# KiCad board RGB 2x2 with WS2811.kicad_pcb
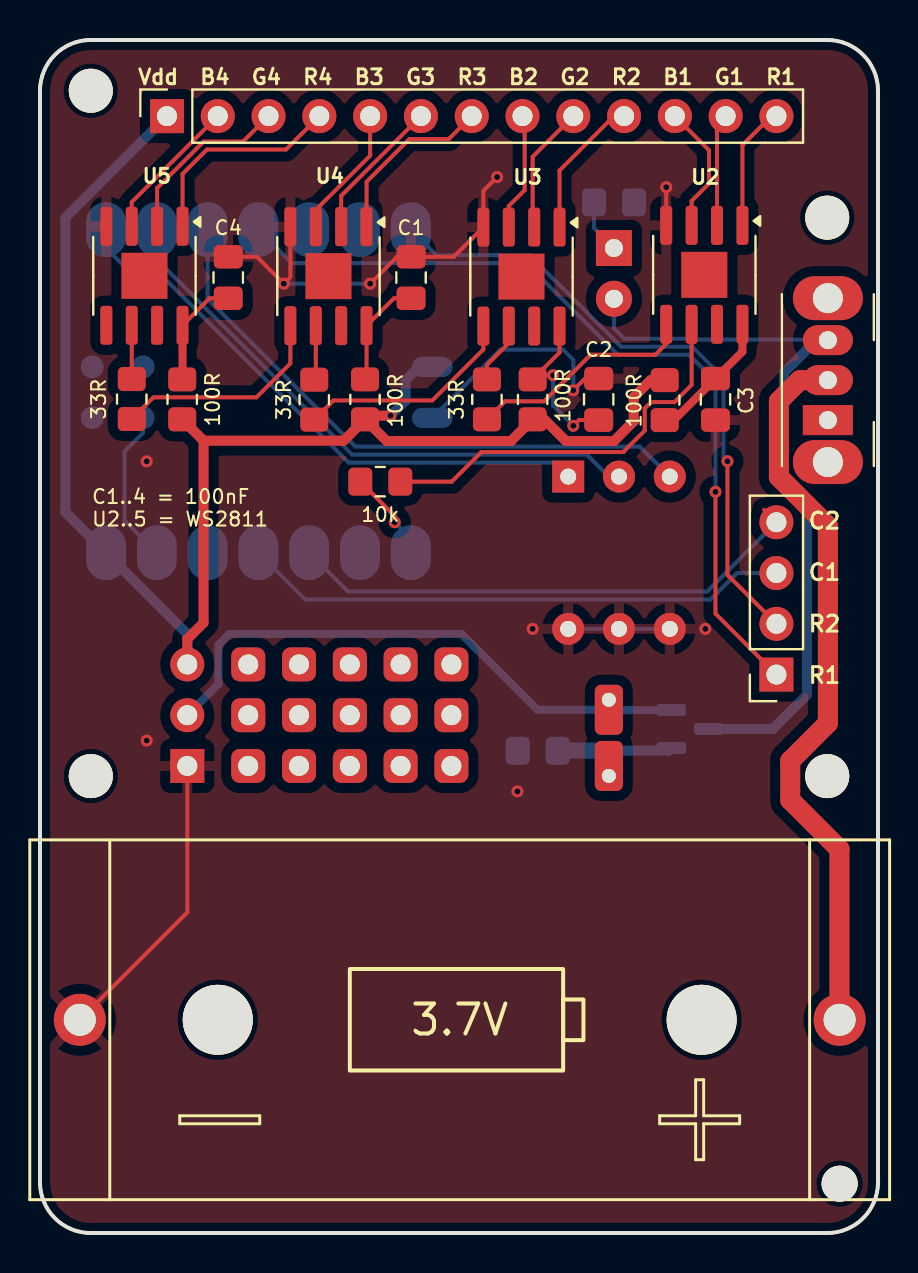
[diagram p0: board, top side]
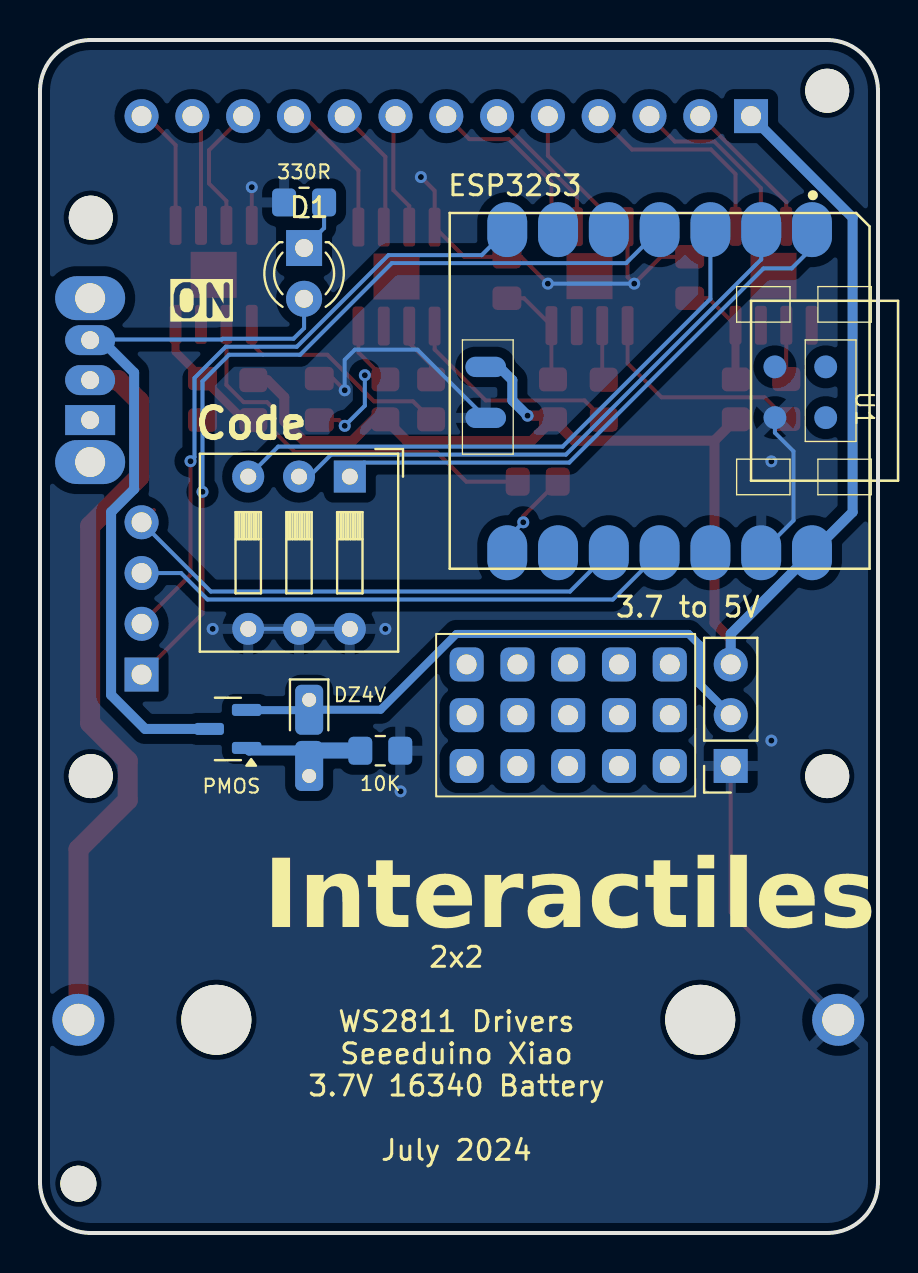
[diagram p1: board, bottom side, seen from below]

Outline 41.91 x 59.69 mm; copper layers: Top, Bottom. Coordinates in mm from the lower left corner of the outline.
Outline path: 0,57.15 arc(0.74,58.95) 2.54,59.69 39.37,59.69 arc(41.17,58.95) 41.91,57.15 41.91,2.54 arc(41.17,0.74) 39.37,0 2.54,0 arc(0.74,0.74) 0,2.54 0,57.15

## Placement (name value [footprint] x y rotation side)
3.7V  Battery 3.7V  [BHC-CR123A]  20.99 10.67 180 top
C1  100nF_Ceramic  [C_0805_2012Metric_Pad1.18x1.45mm_HandSolder]  18.56 47.81 270 top
C2  100nF_Ceramic  [C_0805_2012Metric_Pad1.18x1.45mm_HandSolder]  27.94 41.71 270 top
C3  100nF_Ceramic  [C_0805_2012Metric_Pad1.18x1.45mm_HandSolder]  33.78 41.71 90 top
C4  100nF_Ceramic  [C_0805_2012Metric_Pad1.18x1.45mm_HandSolder]  9.41 47.81 270 top
D1  LED_3mm  [LED_D3.0mm]  28.7 49.28 270 bottom
D2  DZ4V  [D_0805_2012Metric_Pad1.15x1.40mm_HandSolder]  28.45 25.15 270 bottom
J1  Switches  [PinSocket_1x04_P2.54mm_Vertical]  36.83 27.94 180 top
J2  LEDs  [PinSocket_1x13_P2.54mm_Vertical]  6.35 55.88 90 top
J5  3.7 to 5V  [PinSocket_1x03_P2.54mm_Vertical]  7.37 23.37 0 bottom
PMOS  AO3401A  [SOT-23]  32.51 25.22 0 bottom
R1  100R  [R_0805_2012Metric_Pad1.20x1.40mm_HandSolder]  31.24 41.67 90 top
R2  33R  [R_0805_2012Metric_Pad1.20x1.40mm_HandSolder]  22.35 41.71 90 top
R3  33R  [R_0805_2012Metric_Pad1.20x1.40mm_HandSolder]  13.72 41.69 90 top
R4  33R  [R_0805_2012Metric_Pad1.20x1.40mm_HandSolder]  4.59 41.73 270 top
R5  10k  [R_0805_2012Metric_Pad1.20x1.40mm_HandSolder]  17.02 37.59 0 top
R6  100R  [R_0805_2012Metric_Pad1.20x1.40mm_HandSolder]  24.64 41.71 270 top
R7  100R  [R_0805_2012Metric_Pad1.20x1.40mm_HandSolder]  16.26 41.71 270 top
R8  100R  [R_0805_2012Metric_Pad1.20x1.40mm_HandSolder]  7.11 41.71 270 top
R9  10K  [R_0805_2012Metric_Pad1.20x1.40mm_HandSolder]  24.89 24.13 180 bottom
R11  330R  [R_0805_2012Metric_Pad1.20x1.40mm_HandSolder]  28.7 51.56 180 bottom
REF**  -  [TestPoint_THTPad_D2.0mm_Drill1.0mm]  10.41 25.91 180 top
REF**#2  -  [TestPoint_THTPad_D2.0mm_Drill1.0mm]  10.41 28.45 180 top
REF**#3  -  [TestPoint_THTPad_D2.0mm_Drill1.0mm]  12.95 28.45 180 top
REF**#4  -  [TestPoint_THTPad_D2.0mm_Drill1.0mm]  20.57 28.45 180 top
REF**#5  -  [TestPoint_THTPad_D2.0mm_Drill1.0mm]  18.03 23.37 180 top
REF**#6  -  [TestPoint_THTPad_D2.0mm_Drill1.0mm]  15.49 28.45 180 top
REF**#7  -  [TestPoint_THTPad_D2.0mm_Drill1.0mm]  15.49 23.37 180 top
REF**#8  -  [TestPoint_THTPad_D2.0mm_Drill1.0mm]  12.95 23.37 180 top
REF**#9  -  [MountingHole_2.2mm_M2]  39.37 50.8 180 top
REF**#10  -  [TestPoint_THTPad_D2.0mm_Drill1.0mm]  20.57 23.37 180 top
REF**#11  -  [MountingHole_2.2mm_M2]  39.37 22.86 180 top
REF**#12  -  [TestPoint_THTPad_D2.0mm_Drill1.0mm]  15.49 25.91 180 top
REF**#13  -  [TestPoint_THTPad_D2.0mm_Drill1.0mm]  12.95 25.91 180 top
REF**#14  -  [TestPoint_THTPad_D2.0mm_Drill1.0mm]  18.03 28.45 180 top
REF**#15  -  [TestPoint_THTPad_D2.0mm_Drill1.0mm]  20.57 25.91 180 top
REF**#16  -  [TestPoint_THTPad_D2.0mm_Drill1.0mm]  10.41 23.37 180 top
REF**#17  -  [TestPoint_THTPad_D2.0mm_Drill1.0mm]  18.03 25.91 180 top
REF**#18  -  [MountingHole_2.2mm_M2]  2.54 22.86 180 top
REF**#19  -  [MountingHole_2.2mm_M2]  2.54 57.15 180 top
SW1  SW_SPST  [SW_Slide_SPDT_Angled_CK_OS102011MA1Q]  39.4 40.67 90 top
SW2  SW_DIP_x03  [SW_DIP_SPSTx03_Slide_9.78x9.8mm_W7.62mm_P2.54mm]  26.42 37.85 270 bottom
U1  SeeeduinoXIAO  [Seeeduino XIAO-MOUDLE14P-2.54-21X17.8MM]  21.42 51.03 270 bottom
U2  WS2811  [HSOP-8-1EP_3.9x4.9mm_P1.27mm_EP2.3x2.3mm]  33.22 47.94 270 top
U3  WS2811  [HSOP-8-1EP_3.9x4.9mm_P1.27mm_EP2.3x2.3mm]  24.08 47.85 270 top
U4  WS2811  [HSOP-8-1EP_3.9x4.9mm_P1.27mm_EP2.3x2.3mm]  14.43 47.87 270 top
U5  WS2811  [HSOP-8-1EP_3.9x4.9mm_P1.27mm_EP2.3x2.3mm]  5.22 47.89 270 top

## Library data of the parts
3.7V = -: Description: Multiple-cell battery
C1-C4 = -: Description: 100nF Ceramic Capacitor
D1 = -: Description: 3mm diameter small LED; ki_fp_filters: LED_D3.0mm_Clear LED_D3.0mm_Horizontal_O1.27mm_Z2.0mm LED_D3.0mm_Horizontal_O3.81mm_Z2.0mm LED_D3.0mm_Horizontal_O6.35mm_Z2.0mm
D2 = -: Description: Zener diode
J1 = -: Description: Pin Header female with pin space 2.54mm. Pin Count -4; ki_fp_filters: PinSocket_1x04_P2.54mm*
J2 = -: Description: Pin Header female with pin space 2.54mm. Pin Count - 13; ki_fp_filters: PinSocket_1x13_P2.54mm*
J5 = -: Description: Pin Header female with pin space 2.54mm. Pin Count -3; ki_fp_filters: PinSocket_1x03_P2.54mm*
PMOS = -: Datasheet: http://www.aosmd.com/pdfs/datasheet/AO3401A.pdf; Description: -4.0A Id, -30V Vds, P-Channel MOSFET, SOT-23; ki_fp_filters: SOT?23*
R1 R6-R8 = -: Description: 100Î©, 1/4W Resistor; ki_fp_filters: Resistor_THT:R_Axial_DIN0207_L6.3mm_D2.5mm*
R2-R4 = -: Description: 33Î©, 1/4W Resistor; ki_fp_filters: Resistor_THT:R_Axial_DIN0207_L6.3mm_D2.5mm*
R5 = -: Description: 10kÎ©, 1/4W Resistor; ki_fp_filters: Resistor_THT:R_Axial_DIN0207_L6.3mm_D2.5mm*
R9 = -: Description: 1kÎ©, 1/4W Resistor
R11 = -: Description: 330Î©, 1/4W Resistor
SW1 = -: Description: Single Pole Single Throw (SPST) switch
SW2 = -: Description: 3x DIP Switch, Single Pole Single Throw (SPST) switch, small symbol; ki_fp_filters: SW?DIP?x3*
U2-U5 = -: Datasheet: https://cdn-shop.adafruit.com/datasheets/WS2811.pdf; Description: 3-Channel 8-Bit PWM LED Driver, DIP-8/SOIC-8; ki_fp_filters: DIP*W7.62mm* SOIC*3.9x4.9mm*P1.27mm*

## Footprints (pads in the part's own frame, mm; a bottom-side part is the same pattern mirrored in y, then rotated)
BHC-CR123A
  round 1.8 hole 1.8 unplated: (-19,8.2)
  round 3.5 hole 3.5 unplated: (-12.1,0) (12.1,0)
  round 2.6 hole 1.6: 1(-19,0) 2(19,0)
C_0805_2012Metric_Pad1.18x1.45mm_HandSolder
  rrect 1.175x1.45 smd: 1(-1.038,0) 2(1.038,0)
D_0805_2012Metric_Pad1.15x1.40mm_HandSolder
  rrect 2.5x1.4 hole 0.7: 1(-1.524,0) 2(2.286,0)
HSOP-8-1EP_3.9x4.9mm_P1.27mm_EP2.3x2.3mm
  rrect 0.93x0.93 smd: (-0.575,0.575) (-0.575,-0.575) (0.575,0.575) (0.575,-0.575)
  rrect 1.95x0.6 smd: 1(-2.475,1.905) 2(-2.475,0.635) 3(-2.475,-0.635) 4(-2.475,-1.905) 5(2.475,-1.905) 6(2.475,-0.635) 7(2.475,0.635) 8(2.475,1.905)
  rect 2.3x2.3 smd: 9(0,0)
LED_D3.0mm
  rect 1.8x1.8 hole 0.9: 1(0,0)
  round 1.8 hole 0.9: 2(2.54,0)
MountingHole_2.2mm_M2
  round 2.2 hole 2.2 unplated: (0,0)
PinSocket_1x03_P2.54mm_Vertical
  rect 1.7x1.7 hole 1: 1(0,0)
  oval 1.7x1.7 hole 1: 2(0,-2.54) 3(0,-5.08)
PinSocket_1x04_P2.54mm_Vertical
  rect 1.7x1.7 hole 1: 1(0,0)
  oval 1.7x1.7 hole 1: 2(0,-2.54) 3(0,-5.08) 4(0,-7.62)
PinSocket_1x13_P2.54mm_Vertical
  rect 1.7x1.7 hole 1: 1(0,0)
  oval 1.7x1.7 hole 1: 2(0,-2.54) 3(0,-5.08) 4(0,-7.62) 5(0,-10.16) 6(0,-12.7) 7(0,-15.24) 8(0,-17.78) 9(0,-20.32) 10(0,-22.86) 11(0,-25.4) 12(0,-27.94) 13(0,-30.48)
R_0805_2012Metric_Pad1.20x1.40mm_HandSolder
  rrect 1.2x1.4 smd: 1(-1,0) 2(1,0)
Seeeduino XIAO-MOUDLE14P-2.54-21X17.8MM
  oval 2.748x1.999 smd: 1(0.833,18.118) 2(0.833,15.578) 3(0.833,13.038) 4(0.833,10.498) 5(0.833,7.958) 6(0.833,5.418) 7(0.833,2.878) 8(16.998,2.878) 9(16.998,5.418) 10(16.998,7.958) 11(16.998,10.498) 12(16.998,13.038) 13(16.998,15.578) 14(16.998,18.118)
  oval 1.016x2.032 smd: 15(7.7,1.8) 16(10.25,1.8)
  round 1.143 smd: 17(7.699,18.804) 18(10.239,18.804) 19(7.699,16.264) 20(10.239,16.264)
SOT-23
  rrect 1.475x0.6 smd: 1(-0.938,0.95) 2(-0.938,-0.95) 3(0.938,0)
SW_DIP_SPSTx03_Slide_9.78x9.8mm_W7.62mm_P2.54mm
  rect 1.6x1.6 hole 0.8: 1(0,0)
  oval 1.6x1.6 hole 0.8: 2(0,-2.54) 3(0,-5.08) 4(7.62,-5.08) 5(7.62,-2.54) 6(7.62,0)
SW_Slide_SPDT_Angled_CK_OS102011MA1Q
  oval 2.2x3.5 hole 1.5: (-2.1,0) (6.1,0)
  oval 1.5x2.5 hole 0.9: 1(4,0) 2(2,0)
  rect 1.5x2.5 hole 0.9: 3(0,0)
TestPoint_THTPad_D2.0mm_Drill1.0mm
  rrect 1.7x1.7 hole 1: (0,0)

## Nets
+5V: J2.1 J5.3 R1.2 R6.2 R7.2 R8.2 U1.14 U1.15
GND: 3.7V.2 C1.1 C2.1 C3.1 C4.1 J5.1 R9.2 R11.1 SW2.4 SW2.5 SW2.6 U1.13 U1.16 U1.20 U2.4 U3.4 U4.4 U5.4
COL_1: J1.3 U1.11
COL_2: J1.4 U1.10
DATA: R5.1 U1.8
DIP1: SW2.1 U1.1
DIP2: SW2.2 U1.2
DIP3: SW2.3 U1.3
ROW_1: J1.1 U1.4
ROW_2: J1.2 U1.7
Net-(BT1-+): 3.7V.1 SW1.2
Net-(D1-Pad1): D1.1 R11.2
Net-(D2-A): D2.2 PMOS.1 R9.1
Net-(D2-K): D2.1 J5.2 PMOS.2
Net-(Q1-D): D1.2 PMOS.3 SW1.1
Net-(U2-DIN): R5.2 U2.6
Net-(U2-DO): R2.1 U2.5
Net-(U2-OUTB): J2.11 U2.3
Net-(U2-OUTG): J2.12 U2.2
Net-(U2-OUTR): J2.13 U2.1
Net-(U2-VDD): C3.2 R1.1 U2.8
Net-(U3-DIN): R2.2 U3.6
Net-(U3-DO): R3.1 U3.5
Net-(U3-OUTB): J2.8 U3.3
Net-(U3-OUTG): J2.9 U3.2
Net-(U3-OUTR): J2.10 U3.1
Net-(U3-VDD): C2.2 R6.1 U3.8
Net-(U4-DIN): R3.2 U4.6
Net-(U4-DO): R4.2 U4.5
Net-(U4-OUTB): J2.5 U4.3
Net-(U4-OUTG): J2.6 U4.2
Net-(U4-OUTR): J2.7 U4.1
Net-(U4-VDD): C1.2 R7.1 U4.8
Net-(U5-DIN): R4.1 U5.6
Net-(U5-OUTB): J2.2 U5.3
Net-(U5-OUTG): J2.3 U5.2
Net-(U5-OUTR): J2.4 U5.1
Net-(U5-VDD): C4.2 R8.1 U5.8

Pads without a net: SW1 3; U1 5 6 9 12 17 18 19; U2 7 9; U3 7 9; U4 7 9; U5 5 7 9

## Via types
v1: diameter 0.6, hole 0.3, Top to Bottom, 16 vias

## Routing (per net, layer and track width the routed paths; a pad name or vN(x,y) marks a point on that pad's centre or on a via; arc(x,y) is an arc through that point)
+5V: length 77
  Top w0.5: R7.2 15.19,39.64 8.18,39.64 ; R7.2 16.44,40.89 v1(17.53,40.89) ; R7.2 17.34,39.62 23.55,39.62 R6.2 25.22,40.71 26.3,39.62 28.7,39.62 29.69,40.61 29.69,41.82 30.54,42.67 R1.2 ; 8.18,39.64 8.18,30.53 7.37,29.72 J5.3 ; 8.18,39.64 R8.2
  Bottom w0.5: J2.1 1.27,50.8 1.27,36.07 U1.14 7.37,29.97 J5.3 ; U1.15 18.95,43.33 18.29,42.67 18.29,41.66 v1(17.53,40.89)
GND: length 61.7
  Top w0.2: v1(31.32,52.32) U2.4 ; v1(16.51,47.5) 17.85,48.84 C1.1 20.69,48.84 U3.4 22.17,52.15 v1(22.86,52.83) ; 3.7V.2 7.37,16.04 J5.1 ; U4.4 12.52,47.83 v1(12.19,47.5) 10.85,48.84 C4.1 ; v1(26.67,42.16) 27.25,42.75 C2.1
  Bottom w0.2: SW2.6 SW2.4 ; v1(26.67,42.16) 26.67,43.69 26.16,44.2 23.03,44.2 U1.16 ; U1.20 5.16,40.04 4.23,39.11 4.23,35.65 U1.13 ; v1(16.51,47.5) v1(12.19,47.5)
  vias: v1(5.33,38.61) v1(5.33,24.64) v1(23.88,22.1) v1(24.64,30.23) v1(33.27,30.23)
COL_1: length 27.4
  Bottom w0.2: J1.3 34.86,33.02 33.53,31.7 13.26,31.7 U1.11
COL_2: length 26.5
  Top w0.2: 36.21,36.18 J1.4
  Bottom w0.2: J1.4 33.37,32.1 15.4,32.1 U1.10
DATA: length 4.6
  Top w0.2: v1(17.74,35.56) 17.74,35.87 R5.1
  Bottom w0.2: U1.8 18.54,34.76 v1(17.74,35.56)
DIP1: length 30.5
  Bottom w0.2: 3.14,49.44 3.9,50.2 U1.1 3.3,49.28 4.32,48.26 5.73,48.26 15.44,38.55 25.72,38.55 SW2.1
DIP2: length 29.3
  Bottom w0.2: U1.2 5.84,48.71 15.61,38.95 27.35,38.95 28.7,37.59 SW2.2
DIP3: length 30.3
  Bottom w0.2: U1.3 8.38,46.74 15.77,39.35 30,39.35 SW2.3
ROW_1: length 41.9
  Top w0.2: J1.1 33.78,30.99 v1(33.78,37.08)
  Bottom w0.2: U1.4 12.6,48.53 24.31,48.53 28.9,43.94 32.45,43.94 33.78,42.61 v1(33.78,37.08)
ROW_2: length 32.6
  Top w0.2: v1(34.38,38.61) 34.38,32.93 J1.2 37.34,30.48
  Bottom w0.2: U1.7 19.82,48.93 24.48,48.93 29.06,44.34 32.62,44.34 34.18,42.78 34.18,38.81 v1(34.38,38.61)
Net-(BT1-+): length 37.3
  Top w1: SW1.2 38,42.67 36.95,41.62 36.95,37.83 39.4,35.38 39.4,25.51 37.52,23.63 37.52,21.66 39.98,19.2 39.98,10.51 ; 38.85,42.52 39.39,42.52
Net-(D1-Pad1): length 2.7
  Bottom w0.2: D1.1 27.7,50.28 R11.2
Net-(D2-A): length 5.5
  Bottom w0.5: 28.44,24.14 31.44,24.14 PMOS.1
  Bottom w0.8: 26.15,24.14 28.44,24.14
Net-(D2-K): length 28.9
  Bottom w0.4: PMOS.2 31.57,26.16 28.47,26.16 28.45,26.18 24.87,26.18 21.08,29.97 9.47,29.97 8.92,29.43 8.92,27.46 7.62,26.16 7.02,26.16
Net-(Q1-D): length 37.5
  Bottom w0.2: SW1.1 39.37,44.7 32.82,44.7 32.79,44.74 29.23,44.74 28.7,45.27 D1.2
  Bottom w0.5: SW1.1 38.83,44.67 37.2,43.04 37.2,37.22 38.35,36.07 38.35,26.92 36.65,25.22 PMOS.3
Net-(U2-DIN): length 20.3
  Top w0.2: R5.2 20.59,37.59 22.07,39.07 29.17,39.07 30.24,40.15 30.24,41.26 30.56,41.57 31.73,41.57 32.59,42.43 U2.6
Net-(U2-DO): length 11.5
  Top w0.2: U2.5 31.32,44.49 30.77,43.94 27.54,43.94 25.21,41.61 23.25,41.61 R2.1
Net-(U2-OUTB): length 6.5
  Top w0.2: J2.11 33.46,54.17 33.46,52.51 32.59,51.64 U2.3
Net-(U2-OUTG): length 5.6
  Top w0.2: U2.2 33.86,55.45 J2.12
Net-(U2-OUTR): length 6.3
  Top w0.2: J2.13 36.58,55.88 35.13,54.43 U2.1
Net-(U2-VDD): length 6.7
  Top w0.2: R1.1 31.71,40.67
  Top w0.4: U2.8 35.13,44.09 C3.2 31.71,40.67
Net-(U3-DIN): length 3.1
  Top w0.2: R2.2 22.35,43.43 23.44,44.53 U3.6
Net-(U3-DO): length 11.1
  Top w0.2: U3.5 22.17,44.21 19.62,41.66 14.68,41.66 R3.1
Net-(U3-OUTB): length 5.9
  Top w0.2: J2.8 24.24,55.77 24.24,52.18 23.44,51.38 U3.3
Net-(U3-OUTG): length 6.4
  Top w0.2: U3.2 24.64,50.4 24.64,53.85 J2.9
Net-(U3-OUTR): length 7.2
  Top w0.2: U3.1 25.98,53.16 28.7,55.88 J2.10
Net-(U3-VDD): length 8.7
  Top w0.2: U3.8 25.98,44.06 R6.1 24.84,42.92 v1(25.66,42.92) ; v1(26.67,40.39) 26.96,40.67 C2.2
  Bottom w0.2: v1(25.66,42.92) 25.66,41.39 v1(26.67,40.39)
Net-(U4-DIN): length 2.7
  Top w0.2: R3.2 13.79,42.77 U4.6
Net-(U4-DO): length 11
  Top w0.2: R4.2 5.67,41.81 10.82,41.81 12.52,43.51 U4.5
Net-(U4-OUTB): length 6.7
  Top w0.2: U4.3 13.79,51.19 16.51,53.91 J2.5
Net-(U4-OUTG): length 7.2
  Top w0.2: J2.6 15.06,51.89 U4.2
Net-(U4-OUTR): length 8.9
  Top w0.2: U4.1 16.33,52.6 18.47,54.73 20.44,54.73 J2.7
Net-(U4-VDD): length 5.5
  Top w0.2: R7.1 16.33,42.79 U4.8 17.7,46.77 C1.2
Net-(U5-DIN): length 2.7
  Top w0.2: R4.1 U5.6
Net-(U5-OUTB): length 7.3
  Top w0.2: J2.2 4.59,51.58 U5.3
Net-(U5-OUTG): length 9
  Top w0.2: U5.2 5.86,52.28 8.19,54.61 10.16,54.61 J2.3
Net-(U5-OUTR): length 10.7
  Top w0.2: J2.4 12.3,54.21 8.35,54.21 7.13,52.99 U5.1
Net-(U5-VDD): length 5.6
  Top w0.2: U5.8 8.48,46.77 C4.2 ; 7.13,42.73 R8.1
  Top w0.4: U5.8 7.13,42.73

## Copper pours and planes (outline as drawn; the poured copper is in the pictures)
GND on Top, Bottom: -0.98,63 44.23,62.49 46.01,-3.04 -4.03,-2.28

## Text on the board
B.Silkscreen: 3.7 to 5V | ESP32S3 | 2x2 / WS2811 Drivers / Seeeduino Xiao / 3.7V 16340 Battery / July 2024 | Code | ON | Interactiles
F.Silkscreen: C1..4 = 100nF / U2..5 = WS2811 | Vdd  B4  G4  R4  B3  G3  R3  B2  G2  R2  B1  G1  R1 | C2 / C1 / R2 / R1
